# Allegro board 8880F5-0823_2_1.brd (continued)
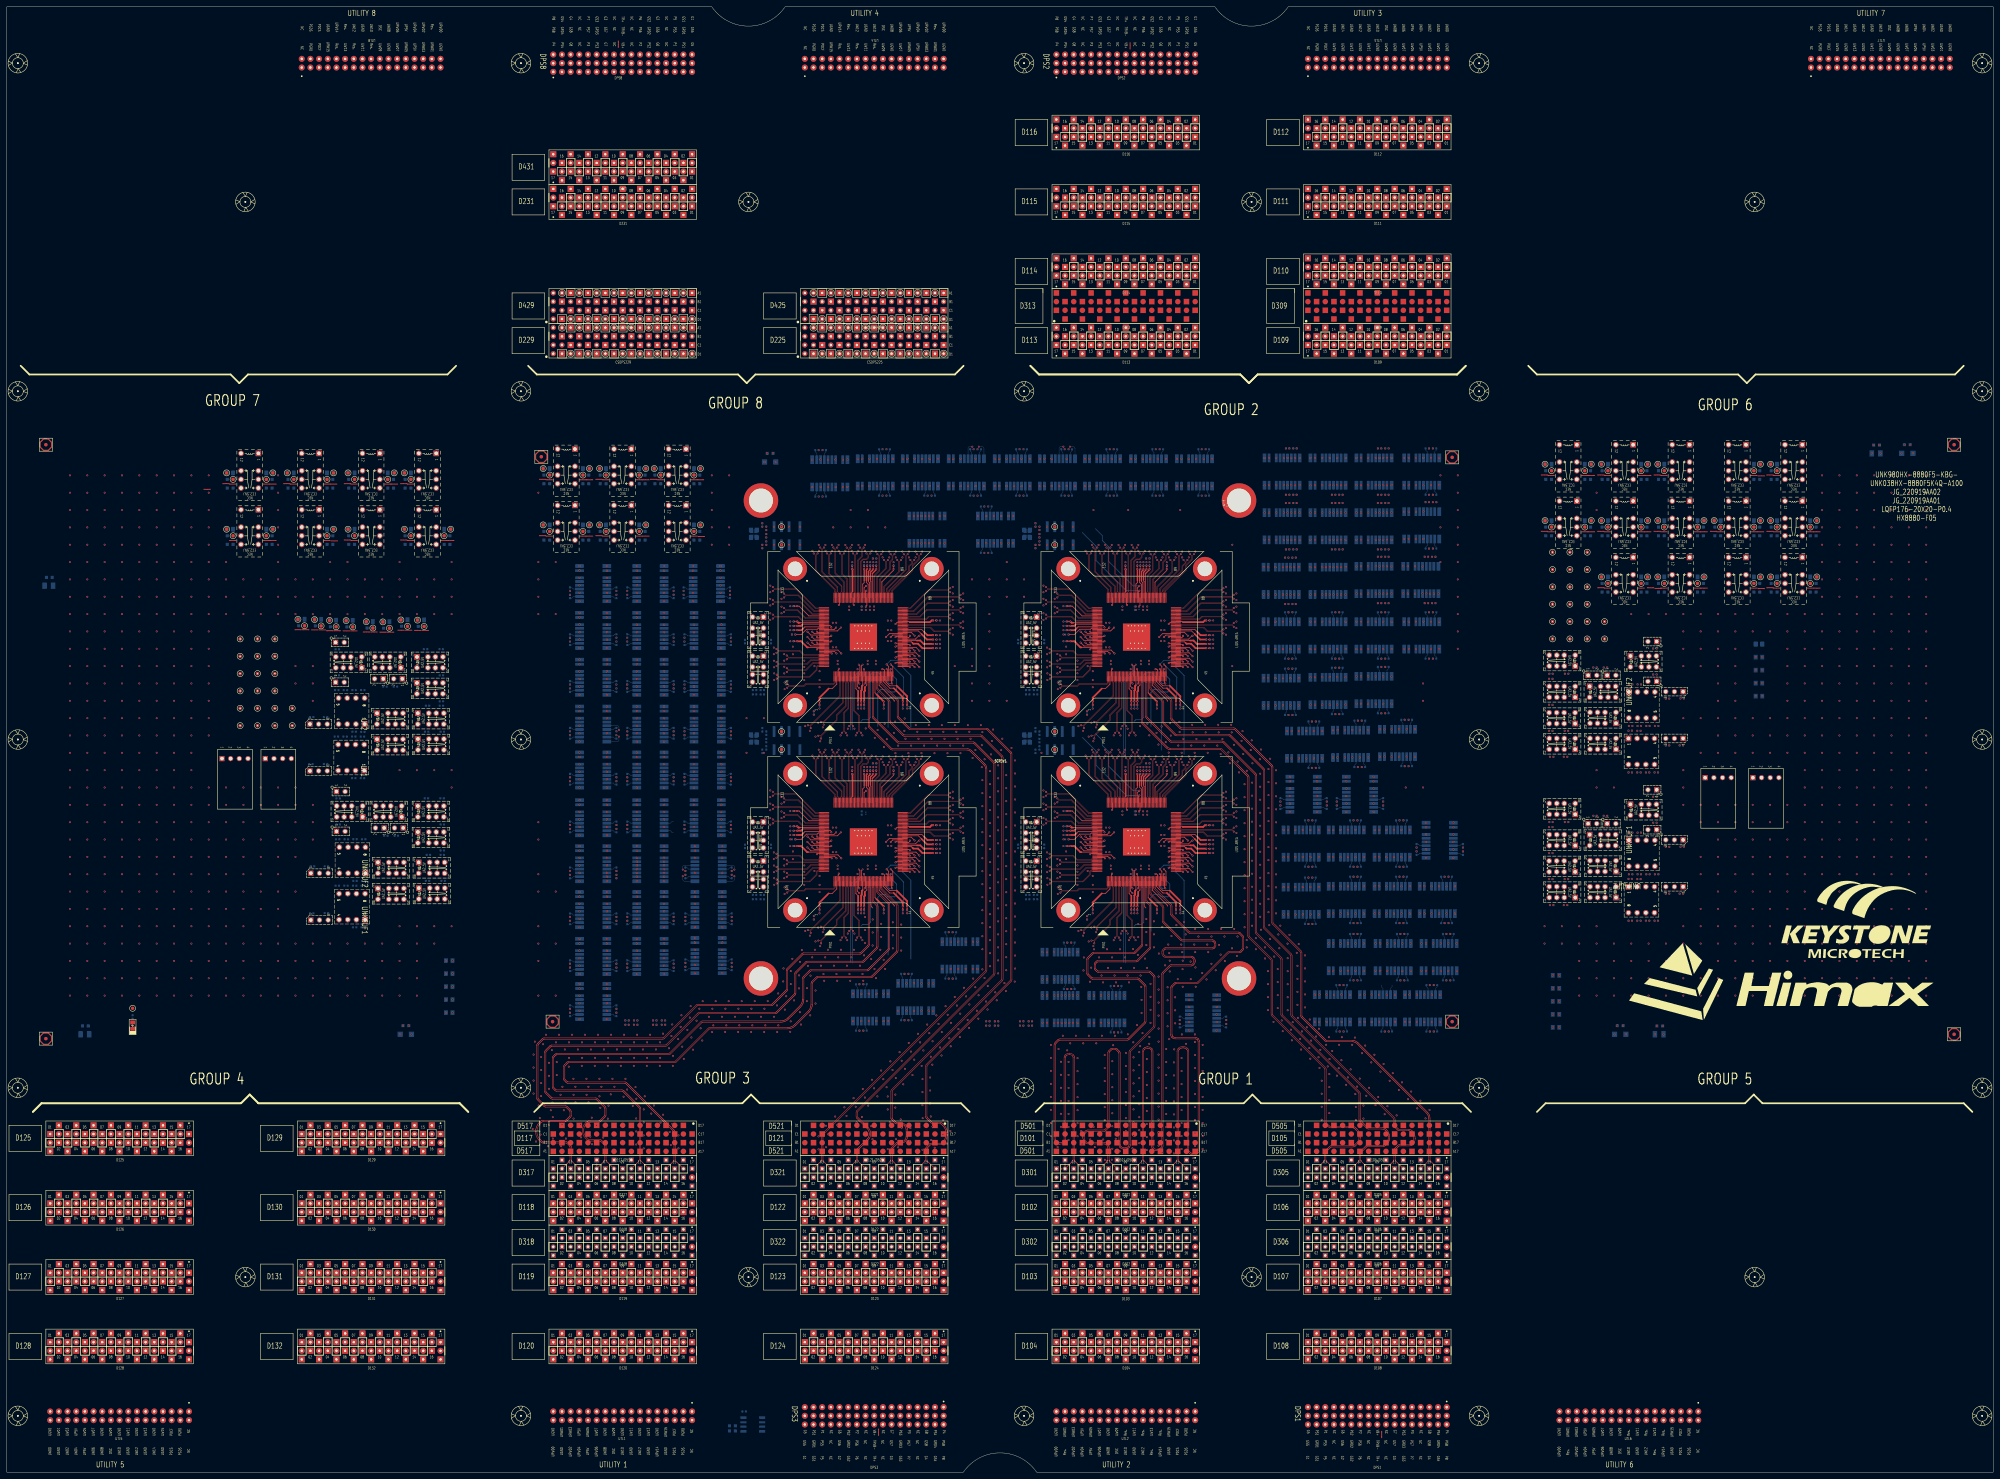
[diagram p0: board, top side]
## Nets (continued)
UNK3CC41.2 UNK3CC42.2 UNK3CD1.2 UNK3CD3.2 UNK3CD4.2 UNK3CD5.2 UNK3CD6.2 UNK3CD7.2 UNK3CD8.2 UNK3CD9.2 UNK3CD10.2 UNK3CD11.2 UNK3CD12.2 UNK3CD13.2 UNK3CD14.2 UNK3CD15.2 UNK3CD16.2 UNK3CD17.2 UNK3CD18.2 UNK3CD19.2 UNK3CD20.2 UNK3CD21.2 UNK3CD22.2 UNK3CD23.2 UNK3CD24.2 UNK3CD25.2 UNK3GND1.1 UNK3GND2.1 UNK3GND3.1 UNK3GND4.1 UNK3GND5.1 UNK3GND6.1 UNK3GND7.1 UNK3GND8.1 UNK3GND9.1 UNK3GND10.1 UNK3GND11.1 UNK3GND12.1 UNK3GND13.1 UNK3GND14.1 UNK3K1.G1 UNK3K1.G2 UNK3K1.G3 UNK3K1.G4 UNK3K1.G5 UNK3K1.G6 UNK3K1.G7 UNK3K1.G8 UNK3K1.G9 UNK3K1.G10 UNK3K2.G1 UNK3K2.G2 UNK3K2.G3 UNK3K2.G4 UNK3K2.G5 UNK3K2.G6 UNK3K2.G7 UNK3K2.G8 UNK3K2.G9 UNK3K2.G10 UNK3K3.G1 UNK3K3.G2 UNK3K3.G3 UNK3K3.G4 UNK3K3.G5 UNK3K3.G6 UNK3K3.G7 UNK3K3.G8 UNK3K3.G9 UNK3K3.G10 UNK3K4.G1 UNK3K4.G2 UNK3K4.G3 UNK3K4.G4 UNK3K4.G5 UNK3K4.G6 UNK3K4.G7 UNK3K4.G8 UNK3K4.G9 UNK3K4.G10 UNK3K5.G1 UNK3K5.G2 UNK3K5.G3 UNK3K5.G4 UNK3K5.G5 UNK3K5.G6 UNK3K5.G7 UNK3K5.G8 UNK3K5.G9 UNK3K5.G10 UNK3K6.G1 UNK3K6.G2 UNK3K6.G3 UNK3K6.G4 UNK3K6.G5 UNK3K6.G6 UNK3K6.G7 UNK3K6.G8 UNK3K6.G9 UNK3K6.G10 UNK3K7.G1 UNK3K7.G2 UNK3K7.G3 UNK3K7.G4 UNK3K7.G5 UNK3K7.G6 UNK3K7.G7 UNK3K7.G8 UNK3K7.G9 UNK3K7.G10 UNK3K8.G1 UNK3K8.G2 UNK3K8.G3 UNK3K8.G4 UNK3K8.G5 UNK3K8.G6 UNK3K8.G7 UNK3K8.G8 UNK3K8.G9 UNK3K8.G10 UNK3K11.G1 UNK3K11.G2 UNK3K11.G3 UNK3K11.G4 UNK3K11.G5 UNK3K11.G6 UNK3K11.G7 UNK3K11.G8 UNK3K11.G9 UNK3K11.G10 UNK3K16.G1 UNK3K16.G2 UNK3K16.G3 UNK3K16.G4 UNK3K16.G5 UNK3K16.G6 UNK3K16.G7 UNK3K16.G8 UNK3K16.G9 UNK3K16.G10 UNK3K17.G1 UNK3K17.G2 UNK3K17.G3 UNK3K17.G4 UNK3K17.G5 UNK3K17.G6 UNK3K17.G7 UNK3K17.G8 UNK3K17.G9 UNK3K17.G10 UNK3K21.G1 UNK3K21.G2 UNK3K21.G3 UNK3K21.G4 UNK3K21.G5 UNK3K21.G6 UNK3K21.G7 UNK3K21.G8 UNK3K21.G9 UNK3K21.G10 UNK3K22.G1 UNK3K22.G2 UNK3K22.G3 UNK3K22.G4 UNK3K22.G5 UNK3K22.G6 UNK3K22.G7 UNK3K22.G8 UNK3K22.G9 UNK3K22.G10 UNK3K23.G1 UNK3K23.G2 UNK3K23.G3 UNK3K23.G4 UNK3K23.G5 UNK3K23.G6 UNK3K23.G7 UNK3K23.G8 UNK3K23.G9 UNK3K23.G10 UNK3K24.G1 UNK3K24.G2 UNK3K24.G3 UNK3K24.G4 UNK3K24.G5 UNK3K24.G6 UNK3K24.G7 UNK3K24.G8 UNK3K24.G9 UNK3K24.G10 UNK3K25.G1 UNK3K25.G2 UNK3K25.G3 UNK3K25.G4 UNK3K25.G5 UNK3K25.G6 UNK3K25.G7 UNK3K25.G8 UNK3K25.G9 UNK3K25.G10 UNK3K26.G1 UNK3K26.G2 UNK3K26.G3 UNK3K26.G4 UNK3K26.G5 UNK3K26.G6 UNK3K26.G7 UNK3K26.G8 UNK3K26.G9 UNK3K26.G10 UNK3K27.G1 UNK3K27.G2 UNK3K27.G3 UNK3K27.G4 UNK3K27.G5 UNK3K27.G6 UNK3K27.G7 UNK3K27.G8 UNK3K27.G9 UNK3K27.G10 UNK3K29.G1 UNK3K29.G2 UNK3K29.G3 UNK3K29.G4 UNK3K29.G5 UNK3K29.G6 UNK3K29.G7 UNK3K29.G8 UNK3K29.G9 UNK3K29.G10 UNK3K30.G1 UNK3K30.G2 UNK3K30.G3 UNK3K30.G4 UNK3K30.G5 UNK3K30.G6 UNK3K30.G7 UNK3K30.G8 UNK3K30.G9 UNK3K30.G10 UNK3K43.G1 UNK3K43.G2 UNK3K43.G3 UNK3K43.G4 UNK3K43.G5 UNK3K43.G6 UNK3K43.G7 UNK3K43.G8 UNK3K43.G9 UNK3K43.G10 UNK3R2.1 UNK3R3.2 UNK3R86.2 UNK3R93.2 UNK3R117.2 UNK3R131.2 UNK3R132.2 UNK3SH2.1 UNK3SH4.1 UNK3SH6.1 UNK3SH8.1 UNK3SH9.1 UNK3SH11.1 UNK3SH13.1 UNK3SH15.1 UNK3SH17.1 UNK3SH19.1 UNK3SH21.1 UNK3SH24.1 UNK3SH26.1 UNK3SH28.1 UNK3U1.4 UNK3U2.4 UNK3Y1.2 UNK3Y1.4 UNK3Y2.2 UNK3Y2.4 UNK4C5.2 UNK4C6.2 UNK4C7.2 UNK4C8.2 UNK4C9.2 UNK4CA1.2 UNK4CA2.2 UNK4CA3.2 UNK4CA4.2 UNK4CA5.2 UNK4CA6.2 UNK4CA7.2 UNK4CA8.2 UNK4CA9.2 UNK4CA10.2 UNK4CA11.2 UNK4CA12.2 UNK4CA13.2 UNK4CA14.2 UNK4CA15.2 UNK4CA16.2 UNK4CA17.2 UNK4CA18.2 UNK4CA19.2 UNK4CA20.2 UNK4CA21.2 UNK4CA22.2 UNK4CA23.2 UNK4CA24.2 UNK4CA25.2 UNK4CA26.2 UNK4CA27.2 UNK4CA28.2 UNK4CA29.2 UNK4CA30.2 UNK4CA31.2 UNK4CA32.2 UNK4CA33.2 UNK4CA34.2 UNK4CA35.2 UNK4CA36.2 UNK4CA37.2 UNK4CA38.2 UNK4CA39.2 UNK4CA40.2 UNK4CC1.2 UNK4CC2.2 UNK4CC4.2 UNK4CC6.2 UNK4CC7.2 UNK4CC8.2 UNK4CC9.2 UNK4CC11.2 UNK4CC13.2 UNK4CC15.2 UNK4CC16.2 UNK4CC17.2 UNK4CC19.2 UNK4CC20.2 UNK4CC22.2 UNK4CC23.2 UNK4CC25.2 UNK4CC26.2 UNK4CC27.2 UNK4CC28.2 UNK4CC29.2 UNK4CC30.2 UNK4CC31.2 UNK4CC32.2 UNK4CC33.2 UNK4CC34.2 UNK4CC35.2 UNK4CC36.2 UNK4CC37.2 UNK4CC38.2 UNK4CC39.2 UNK4CC40.2 UNK4CC41.2 UNK4CC42.2 UNK4CD1.2 UNK4CD3.2 UNK4CD4.2 UNK4CD5.2 UNK4CD6.2 UNK4CD7.2 UNK4CD8.2 UNK4CD9.2 UNK4CD10.2 UNK4CD11.2 UNK4CD12.2 UNK4CD13.2 UNK4CD14.2 UNK4CD15.2 UNK4CD16.2 UNK4CD17.2 UNK4CD18.2 UNK4CD19.2 UNK4CD20.2 UNK4CD21.2 UNK4CD22.2 UNK4CD23.2 UNK4CD24.2 UNK4CD25.2 UNK4GND1.1 UNK4GND2.1 UNK4GND3.1 UNK4GND4.1 UNK4GND5.1 UNK4GND6.1 UNK4GND7.1 UNK4GND8.1 UNK4GND9.1 UNK4GND10.1 UNK4GND11.1 UNK4GND12.1 UNK4GND13.1 UNK4GND14.1 UNK4K1.G1 UNK4K1.G2 UNK4K1.G3 UNK4K1.G4 UNK4K1.G5 UNK4K1.G6 UNK4K1.G7 UNK4K1.G8 UNK4K1.G9 UNK4K1.G10 UNK4K2.G1 UNK4K2.G2 UNK4K2.G3 UNK4K2.G4 UNK4K2.G5 UNK4K2.G6 UNK4K2.G7 UNK4K2.G8 UNK4K2.G9 UNK4K2.G10 UNK4K3.G1 UNK4K3.G2 UNK4K3.G3 UNK4K3.G4 UNK4K3.G5 UNK4K3.G6 UNK4K3.G7 UNK4K3.G8 UNK4K3.G9 UNK4K3.G10 UNK4K4.G1 UNK4K4.G2 UNK4K4.G3 UNK4K4.G4 UNK4K4.G5 UNK4K4.G6 UNK4K4.G7 UNK4K4.G8 UNK4K4.G9 UNK4K4.G10 UNK4K5.G1 UNK4K5.G2 UNK4K5.G3 UNK4K5.G4 UNK4K5.G5 UNK4K5.G6 UNK4K5.G7 UNK4K5.G8 UNK4K5.G9 UNK4K5.G10 UNK4K6.G1 UNK4K6.G2 UNK4K6.G3 UNK4K6.G4 UNK4K6.G5 UNK4K6.G6 UNK4K6.G7 UNK4K6.G8 UNK4K6.G9 UNK4K6.G10 UNK4K7.G1 UNK4K7.G2 UNK4K7.G3 UNK4K7.G4 UNK4K7.G5 UNK4K7.G6 UNK4K7.G7 UNK4K7.G8 UNK4K7.G9 UNK4K7.G10 UNK4K8.G1 UNK4K8.G2 UNK4K8.G3 UNK4K8.G4 UNK4K8.G5 UNK4K8.G6 UNK4K8.G7 UNK4K8.G8 UNK4K8.G9 UNK4K8.G10 UNK4K11.G1 UNK4K11.G2 UNK4K11.G3 UNK4K11.G4 UNK4K11.G5 UNK4K11.G6 UNK4K11.G7 UNK4K11.G8 UNK4K11.G9 UNK4K11.G10 UNK4K16.G1 UNK4K16.G2 UNK4K16.G3 UNK4K16.G4 UNK4K16.G5 UNK4K16.G6 UNK4K16.G7 UNK4K16.G8 UNK4K16.G9 UNK4K16.G10 UNK4K17.G1 UNK4K17.G2 UNK4K17.G3 UNK4K17.G4 UNK4K17.G5 UNK4K17.G6 UNK4K17.G7 UNK4K17.G8 UNK4K17.G9 UNK4K17.G10 UNK4K21.G1 UNK4K21.G2 UNK4K21.G3 UNK4K21.G4 UNK4K21.G5 UNK4K21.G6 UNK4K21.G7 UNK4K21.G8 UNK4K21.G9 UNK4K21.G10 UNK4K22.G1 UNK4K22.G2 UNK4K22.G3 UNK4K22.G4 UNK4K22.G5 UNK4K22.G6 UNK4K22.G7 UNK4K22.G8 UNK4K22.G9 UNK4K22.G10 UNK4K23.G1 UNK4K23.G2 UNK4K23.G3 UNK4K23.G4 UNK4K23.G5 UNK4K23.G6 UNK4K23.G7 UNK4K23.G8 UNK4K23.G9 UNK4K23.G10 UNK4K24.G1 UNK4K24.G2 UNK4K24.G3 UNK4K24.G4 UNK4K24.G5 UNK4K24.G6 UNK4K24.G7 UNK4K24.G8 UNK4K24.G9 UNK4K24.G10 UNK4K25.G1 UNK4K25.G2 UNK4K25.G3 UNK4K25.G4 UNK4K25.G5 UNK4K25.G6 UNK4K25.G7 UNK4K25.G8 UNK4K25.G9 UNK4K25.G10 UNK4K26.G1 UNK4K26.G2 UNK4K26.G3 UNK4K26.G4 UNK4K26.G5 UNK4K26.G6 UNK4K26.G7 UNK4K26.G8 UNK4K26.G9 UNK4K26.G10 UNK4K27.G1 UNK4K27.G2 UNK4K27.G3 UNK4K27.G4 UNK4K27.G5 UNK4K27.G6 UNK4K27.G7 UNK4K27.G8 UNK4K27.G9 UNK4K27.G10 UNK4K29.G1 UNK4K29.G2 UNK4K29.G3 UNK4K29.G4 UNK4K29.G5 UNK4K29.G6 UNK4K29.G7 UNK4K29.G8 UNK4K29.G9 UNK4K29.G10 UNK4K30.G1 UNK4K30.G2 UNK4K30.G3 UNK4K30.G4 UNK4K30.G5 UNK4K30.G6 UNK4K30.G7 UNK4K30.G8 UNK4K30.G9 UNK4K30.G10 UNK4K43.G1 UNK4K43.G2 UNK4K43.G3 UNK4K43.G4 UNK4K43.G5 UNK4K43.G6 UNK4K43.G7 UNK4K43.G8 UNK4K43.G9 UNK4K43.G10 UNK4R2.1 UNK4R3.2 UNK4R86.2 UNK4R93.2 UNK4R117.2 UNK4R131.2 UNK4R132.2 UNK4SH2.1 UNK4SH4.1 UNK4SH6.1 UNK4SH8.1 UNK4SH9.1 UNK4SH11.1 UNK4SH13.1 UNK4SH15.1 UNK4SH17.1 UNK4SH19.1 UNK4SH21.1 UNK4SH24.1 UNK4SH26.1 UNK4SH28.1 UNK4U1.4 UNK4U2.4 UNK4Y1.2 UNK4Y1.4 UNK4Y2.2 UNK4Y2.4 Y1.2 Y1.4 Y2.2 Y2.4
CSDPS225GS1: CSDPS225.D2
CSDPS225GS2: CSDPS225.A1
CSDPS225GS3: CSDPS225.D4
CSDPS225GS4: CSDPS225.A3
CSDPS225GS5: CSDPS225.D6
CSDPS225GS6: CSDPS225.A5
CSDPS225GS7: CSDPS225.D8
CSDPS225GS8: CSDPS225.A7
CSDPS225GS9: CSDPS225.D10
CSDPS225GS10: CSDPS225.A9
CSDPS225GS11: CSDPS225.D12
CSDPS225GS12: CSDPS225.A11
CSDPS225GS13: CSDPS225.D14
CSDPS225GS14: CSDPS225.A13
CSDPS225GS15: CSDPS225.D16
CSDPS225GS16: CSDPS225.A15
CSDPS225P1: CSDPS225.B1
CSDPS225P2: CSDPS225.C2
CSDPS225P3: CSDPS225.B3
CSDPS225P4: CSDPS225.C4
CSDPS225P5: CSDPS225.B5
CSDPS225P6: CSDPS225.C6
CSDPS225P7: CSDPS225.B7
CSDPS225P8: CSDPS225.C8
CSDPS225P9: CSDPS225.B9
CSDPS225P10: CSDPS225.C10
CSDPS225P11: CSDPS225.B11
CSDPS225P12: CSDPS225.C12
CSDPS225P13: CSDPS225.B13
CSDPS225P14: CSDPS225.C14
CSDPS225P15: CSDPS225.B15
CSDPS225P16: CSDPS225.C16
CSDPS225PS1: CSDPS225.D1
CSDPS225PS2: CSDPS225.A2
CSDPS225PS3: CSDPS225.D3
CSDPS225PS4: CSDPS225.A4
CSDPS225PS5: CSDPS225.D5
CSDPS225PS6: CSDPS225.A6
CSDPS225PS7: CSDPS225.D7
CSDPS225PS8: CSDPS225.A8
CSDPS225PS9: CSDPS225.D9
CSDPS225PS10: CSDPS225.A10
CSDPS225PS11: CSDPS225.D11
CSDPS225PS12: CSDPS225.A12
CSDPS225PS13: CSDPS225.D13
CSDPS225PS14: CSDPS225.A14
CSDPS225PS15: CSDPS225.D15
CSDPS225PS16: CSDPS225.A16
CSDPS229GS1: CSDPS229.D2
CSDPS229GS2: CSDPS229.A1
CSDPS229GS3: CSDPS229.D4
CSDPS229GS4: CSDPS229.A3
CSDPS229GS5: CSDPS229.D6
CSDPS229GS6: CSDPS229.A5
CSDPS229GS7: CSDPS229.D8
CSDPS229GS8: CSDPS229.A7
CSDPS229GS9: CSDPS229.D10
CSDPS229GS10: CSDPS229.A9
CSDPS229GS11: CSDPS229.D12
CSDPS229GS12: CSDPS229.A11
CSDPS229GS13: CSDPS229.D14
CSDPS229GS14: CSDPS229.A13
CSDPS229GS15: CSDPS229.D16
CSDPS229GS16: CSDPS229.A15
CSDPS229P1: CSDPS229.B1
CSDPS229P2: CSDPS229.C2
CSDPS229P3: CSDPS229.B3
CSDPS229P4: CSDPS229.C4
CSDPS229P5: CSDPS229.B5
CSDPS229P6: CSDPS229.C6
CSDPS229P7: CSDPS229.B7
CSDPS229P8: CSDPS229.C8
CSDPS229P9: CSDPS229.B9
CSDPS229P10: CSDPS229.C10
CSDPS229P11: CSDPS229.B11
CSDPS229P12: CSDPS229.C12
CSDPS229P13: CSDPS229.B13
CSDPS229P14: CSDPS229.C14
CSDPS229P15: CSDPS229.B15
CSDPS229P16: CSDPS229.C16
CSDPS229PS1: CSDPS229.D1
CSDPS229PS2: CSDPS229.A2
CSDPS229PS3: CSDPS229.D3
CSDPS229PS4: CSDPS229.A4
CSDPS229PS5: CSDPS229.D5
CSDPS229PS6: CSDPS229.A6
CSDPS229PS7: CSDPS229.D7
CSDPS229PS8: CSDPS229.A8
CSDPS229PS9: CSDPS229.D9
CSDPS229PS10: CSDPS229.A10
CSDPS229PS11: CSDPS229.D11
CSDPS229PS12: CSDPS229.A12
CSDPS229PS13: CSDPS229.D13
CSDPS229PS14: CSDPS229.A14
CSDPS229PS15: CSDPS229.D15
CSDPS229PS16: CSDPS229.A16
CSDPS425GS1: CSDPS425.D2
CSDPS425GS2: CSDPS425.A1
CSDPS425GS3: CSDPS425.D4
CSDPS425GS4: CSDPS425.A3
CSDPS425GS5: CSDPS425.D6
CSDPS425GS6: CSDPS425.A5
CSDPS425GS7: CSDPS425.D8
CSDPS425GS8: CSDPS425.A7
CSDPS425GS9: CSDPS425.D10
CSDPS425GS10: CSDPS425.A9
CSDPS425GS11: CSDPS425.D12
CSDPS425GS12: CSDPS425.A11
CSDPS425GS13: CSDPS425.D14
CSDPS425GS14: CSDPS425.A13
CSDPS425GS15: CSDPS425.D16
CSDPS425GS16: CSDPS425.A15
CSDPS425P1: CSDPS425.B1
CSDPS425P2: CSDPS425.C2
CSDPS425P3: CSDPS425.B3
CSDPS425P4: CSDPS425.C4
CSDPS425P5: CSDPS425.B5
CSDPS425P6: CSDPS425.C6
CSDPS425P7: CSDPS425.B7
CSDPS425P8: CSDPS425.C8
CSDPS425P9: CSDPS425.B9
CSDPS425P10: CSDPS425.C10
CSDPS425P11: CSDPS425.B11
CSDPS425P12: CSDPS425.C12
CSDPS425P13: CSDPS425.B13
CSDPS425P14: CSDPS425.C14
CSDPS425P15: CSDPS425.B15
CSDPS425P16: CSDPS425.C16
CSDPS425PS1: CSDPS425.D1
CSDPS425PS2: CSDPS425.A2
CSDPS425PS3: CSDPS425.D3
CSDPS425PS4: CSDPS425.A4
CSDPS425PS5: CSDPS425.D5
CSDPS425PS6: CSDPS425.A6
CSDPS425PS7: CSDPS425.D7
CSDPS425PS8: CSDPS425.A8
CSDPS425PS9: CSDPS425.D9
CSDPS425PS10: CSDPS425.A10
CSDPS425PS11: CSDPS425.D11
CSDPS425PS12: CSDPS425.A12
CSDPS425PS13: CSDPS425.D13
CSDPS425PS14: CSDPS425.A14
CSDPS425PS15: CSDPS425.D15
CSDPS425PS16: CSDPS425.A16
CSDPS429GS1: CSDPS429.D2
CSDPS429GS2: CSDPS429.A1
CSDPS429GS3: CSDPS429.D4
CSDPS429GS4: CSDPS429.A3
CSDPS429GS5: CSDPS429.D6
CSDPS429GS6: CSDPS429.A5
CSDPS429GS7: CSDPS429.D8
CSDPS429GS8: CSDPS429.A7
CSDPS429GS9: CSDPS429.D10
CSDPS429GS10: CSDPS429.A9
CSDPS429GS11: CSDPS429.D12
CSDPS429GS12: CSDPS429.A11
CSDPS429GS13: CSDPS429.D14
CSDPS429GS14: CSDPS429.A13
CSDPS429GS15: CSDPS429.D16
CSDPS429GS16: CSDPS429.A15
CSDPS429P1: CSDPS429.B1
CSDPS429P2: CSDPS429.C2
CSDPS429P3: CSDPS429.B3
CSDPS429P4: CSDPS429.C4
CSDPS429P5: CSDPS429.B5
CSDPS429P6: CSDPS429.C6
CSDPS429P7: CSDPS429.B7
CSDPS429P8: CSDPS429.C8
CSDPS429P9: CSDPS429.B9
CSDPS429P10: CSDPS429.C10
CSDPS429P11: CSDPS429.B11
CSDPS429P12: CSDPS429.C12
CSDPS429P13: CSDPS429.B13
CSDPS429P14: CSDPS429.C14
CSDPS429P15: CSDPS429.B15
CSDPS429P16: CSDPS429.C16
CSDPS429PS1: CSDPS429.D1
CSDPS429PS2: CSDPS429.A2
CSDPS429PS3: CSDPS429.D3
CSDPS429PS4: CSDPS429.A4
CSDPS429PS5: CSDPS429.D5
CSDPS429PS6: CSDPS429.A6
CSDPS429PS7: CSDPS429.D7
CSDPS429PS8: CSDPS429.A8
CSDPS429PS9: CSDPS429.D9
CSDPS429PS10: CSDPS429.A10
CSDPS429PS11: CSDPS429.D11
CSDPS429PS12: CSDPS429.A12
CSDPS429PS13: CSDPS429.D13
CSDPS429PS14: CSDPS429.A14
CSDPS429PS15: CSDPS429.D15
CSDPS429PS16: CSDPS429.A16
D231_MCB1_CT2: D231.17
D231_MCB1_E+: D231.16
D231_MCB1_E-: D231.15
D231_MCB1_EE+: D231.08
D231_MCB1_EE-: D231.07
D231_MCB1_F+: D231.14
D231_MCB1_F-: D231.13
D231_MCB1_FF+: D231.06
D231_MCB1_FF-: D231.05
D231_MCB1_G+: D231.12
D231_MCB1_G-: D231.11
D231_MCB1_GG+: D231.04
D231_MCB1_GG-: D231.03
D231_MCB1_H+: D231.10
D231_MCB1_H-: D231.09
D231_MCB1_HH+: D231.02
D231_MCB1_HH-: D231.01
D431_MCB1_A+: D431.16
D431_MCB1_A-: D431.15
D431_MCB1_AA+: D431.08
D431_MCB1_AA-: D431.07
D431_MCB1_B+: D431.14
D431_MCB1_B-: D431.13
D431_MCB1_BB+: D431.06
D431_MCB1_BB-: D431.05
D431_MCB1_C+: D431.12
D431_MCB1_C-: D431.11
D431_MCB1_CC+: D431.04
D431_MCB1_CC-: D431.03
D431_MCB1_CT1: D431.17
D431_MCB1_D+: D431.10
D431_MCB1_D-: D431.09
D431_MCB1_DD+: D431.02
D431_MCB1_DD-: D431.01
D10201: D102.01
D10202: D102.02
D10203: D102.03
D10204: D102.04
D10205: D102.05
D10206: D102.06
D10207: D102.07
D10208: D102.08
D10209: D102.09
D10210: D102.10
D10211: D102.11
D10212: D102.12
D10213: D102.13
D10214: D102.14
D10215: D102.15
D10216: D102.16
D10301: D103.01
D10302: D103.02
D10303: D103.03
D10304: D103.04
D10305: D103.05
D10306: D103.06
D10307: D103.07
D10308: D103.08
D10309: D103.09
D10310: D103.10
D10311: D103.11
D10312: D103.12
D10313: D103.13
D10314: D103.14
D10315: D103.15
D10316: D103.16
D10401: D104.01
D10402: D104.02
D10403: D104.03
D10404: D104.04
D10405: D104.05
D10406: D104.06
D10407: D104.07
D10408: D104.08
D10409: D104.09 SITE4.172(OLV2P) UNK4R105.2
D10410: D104.10 SITE4.12(ELVCKP) UNK4R54.2
D10411: D104.11 SITE4.171(OLV2N) UNK4R104.1
D10412: D104.12 SITE4.11(ELVCKN) UNK4R53.1
D10413: D104.13 SITE4.8(ELV1P) UNK4R46.2
D10414: D104.14 SITE4.10(ELV2P) UNK4R52.2
D10415: D104.15 SITE4.7(ELV1N) UNK4R45.1
D10416: D104.16 SITE4.9(ELV2N) UNK4R51.1
D10601: D106.01
D10602: D106.02
D10603: D106.03
D10604: D106.04
D10605: D106.05
D10606: D106.06
D10607: D106.07
D10608: D106.08
D10609: D106.09
D10610: D106.10
D10611: D106.11
D10612: D106.12
D10613: D106.13
D10614: D106.14
D10615: D106.15
D10616: D106.16
D10701: D107.01
D10702: D107.02
D10703: D107.03
D10704: D107.04
D10705: D107.05
D10706: D107.06
D10707: D107.07
D10708: D107.08
D10709: D107.09
D10710: D107.10
D10711: D107.11
D10712: D107.12
D10713: D107.13
D10714: D107.14
D10715: D107.15
D10716: D107.16
D10801: D108.01 SITE4.5(ELV0N) UNK4R102.1
D10802: D108.02 SITE4.16(ELV4P) UNK4R50.2
D10803: D108.03 SITE4.6(ELV0P) UNK4R103.2
D10804: D108.04 SITE4.15(ELV4N) UNK4R49.1
D10805: D108.05 SITE4.175(OLV3N) UNK4R65.1
D10806: D108.06 SITE4.170(OLV1P) UNK4R58.2
D10807: D108.07 SITE4.176(OLV3P) UNK4R66.2
D10808: D108.08 SITE4.169(OLV1N) UNK4R57.1
D10809: D108.09 SITE4.2(OLV4P) UNK4R60.2
D10810: D108.10 SITE4.168(OLV0P) UNK4R56.2
D10811: D108.11 SITE4.1(OLV4N) UNK4R59.1
D10812: D108.12 SITE4.167(OLV0N) UNK4R55.1
D10813: D108.13 SITE4.174(OLVCKP) UNK4R62.2
D10814: D108.14 SITE4.14(ELV3P) UNK4R48.2
D10815: D108.15 SITE4.173(OLVCKN) UNK4R61.1
D10816: D108.16 SITE4.13(ELV3N) UNK4R47.1
D10901: D109.01 SITE2.176(OLV3P) UNK2R66.2
D10902: D109.02 SITE2.168(OLV0P) UNK2R56.2
D10903: D109.03 SITE2.175(OLV3N) UNK2R65.1
D10904: D109.04 SITE2.167(OLV0N) UNK2R55.1
D10905: D109.05 SITE2.174(OLVCKP) UNK2R62.2
D10906: D109.06 SITE2.170(OLV1P) UNK2R58.2
D10907: D109.07 SITE2.173(OLVCKN) UNK2R61.1
D10908: D109.08 SITE2.169(OLV1N) UNK2R57.1
D10909: D109.09 SITE2.14(ELV3P) UNK2R48.2
D10910: D109.10 SITE2.2(OLV4P) UNK2R60.2
D10911: D109.11 SITE2.13(ELV3N) UNK2R47.1
D10912: D109.12 SITE2.1(OLV4N) UNK2R59.1
D10913: D109.13 SITE2.10(ELV2P) UNK2R52.2
D10914: D109.14 SITE2.12(ELVCKP) UNK2R54.2
D10915: D109.15 SITE2.9(ELV2N) UNK2R51.1
D10916: D109.16 SITE2.11(ELVCKN) UNK2R53.1
D11001: D110.01
D11002: D110.02
D11003: D110.03
D11004: D110.04
D11005: D110.05
D11006: D110.06
D11007: D110.07
D11008: D110.08
D11009: D110.09
D11010: D110.10
D11011: D110.11
D11012: D110.12
D11013: D110.13
D11014: D110.14
D11015: D110.15
D11016: D110.16
D11101: D111.01
D11102: D111.02
D11103: D111.03
D11104: D111.04
D11105: D111.05
D11106: D111.06
D11107: D111.07
D11108: D111.08
D11109: D111.09
D11110: D111.10
D11111: D111.11
D11112: D111.12
D11113: D111.13
D11114: D111.14
D11115: D111.15
D11116: D111.16
D11201: D112.01
D11202: D112.02
D11203: D112.03
D11204: D112.04
D11205: D112.05
D11206: D112.06
D11207: D112.07
D11208: D112.08
D11209: D112.09
D11210: D112.10
D11211: D112.11
D11212: D112.12
D11213: D112.13
D11214: D112.14
D11215: D112.15
D11216: D112.16
D11301: D113.01 SITE2.172(OLV2P) UNK2R105.2
D11302: D113.02 SITE2.8(ELV1P) UNK2R46.2
D11303: D113.03 SITE2.171(OLV2N) UNK2R104.1
D11304: D113.04 SITE2.7(ELV1N) UNK2R45.1
D11305: D113.05 SITE2.16(ELV4P) UNK2R50.2
D11306: D113.06 SITE2.6(ELV0P) UNK2R103.2
D11307: D113.07 SITE2.15(ELV4N) UNK2R49.1
D11308: D113.08 SITE2.5(ELV0N) UNK2R102.1
D11309: D113.09
D11310: D113.10
D11311: D113.11
D11312: D113.12
D11313: D113.13
D11314: D113.14
D11315: D113.15
D11316: D113.16
D11401: D114.01
D11402: D114.02
D11403: D114.03
D11404: D114.04
D11405: D114.05
D11406: D114.06
D11407: D114.07
D11408: D114.08
D11409: D114.09
D11410: D114.10
D11411: D114.11
D11412: D114.12
D11413: D114.13
D11414: D114.14
D11415: D114.15
D11416: D114.16
D11501: D115.01
D11502: D115.02
D11503: D115.03
D11504: D115.04
D11505: D115.05
D11506: D115.06
D11507: D115.07
D11508: D115.08
D11509: D115.09
D11510: D115.10
D11511: D115.11
D11512: D115.12
D11513: D115.13
D11514: D115.14
D11515: D115.15
D11516: D115.16
D11601: D116.01
D11602: D116.02
D11603: D116.03
D11604: D116.04
D11605: D116.05
D11606: D116.06
D11607: D116.07
D11608: D116.08
D11609: D116.09
D11610: D116.10
D11611: D116.11
D11612: D116.12
D11613: D116.13
D11614: D116.14
D11615: D116.15
D11616: D116.16
D11801: D118.01
D11802: D118.02
D11803: D118.03
D11804: D118.04
D11805: D118.05
D11806: D118.06
D11807: D118.07
D11808: D118.08
D11809: D118.09
D11810: D118.10
D11811: D118.11
D11812: D118.12
D11813: D118.13
D11814: D118.14
D11815: D118.15
D11816: D118.16
D11901: D119.01
D11902: D119.02
D11903: D119.03
D11904: D119.04
D11905: D119.05
D11906: D119.06
D11907: D119.07
D11908: D119.08
D11909: D119.09
D11910: D119.10
D11911: D119.11
D11912: D119.12
D11913: D119.13
D11914: D119.14
D11915: D119.15
D11916: D119.16
D12001: D120.01
D12002: D120.02
D12003: D120.03
